# Altium PCB iMX53_BB_PCB_V1I1.PcbDoc (part 1 of 9)
Units mm, origin at the board's own origin, x right, y up, seen from the top; angles counter-clockwise.
Board outline 165 x 100.5 mm, 6 copper layers (Top, GND, SignalH, SignalV, Power, Bottom); 582 components, 590 nets, 2473 pads, 1817 vias.
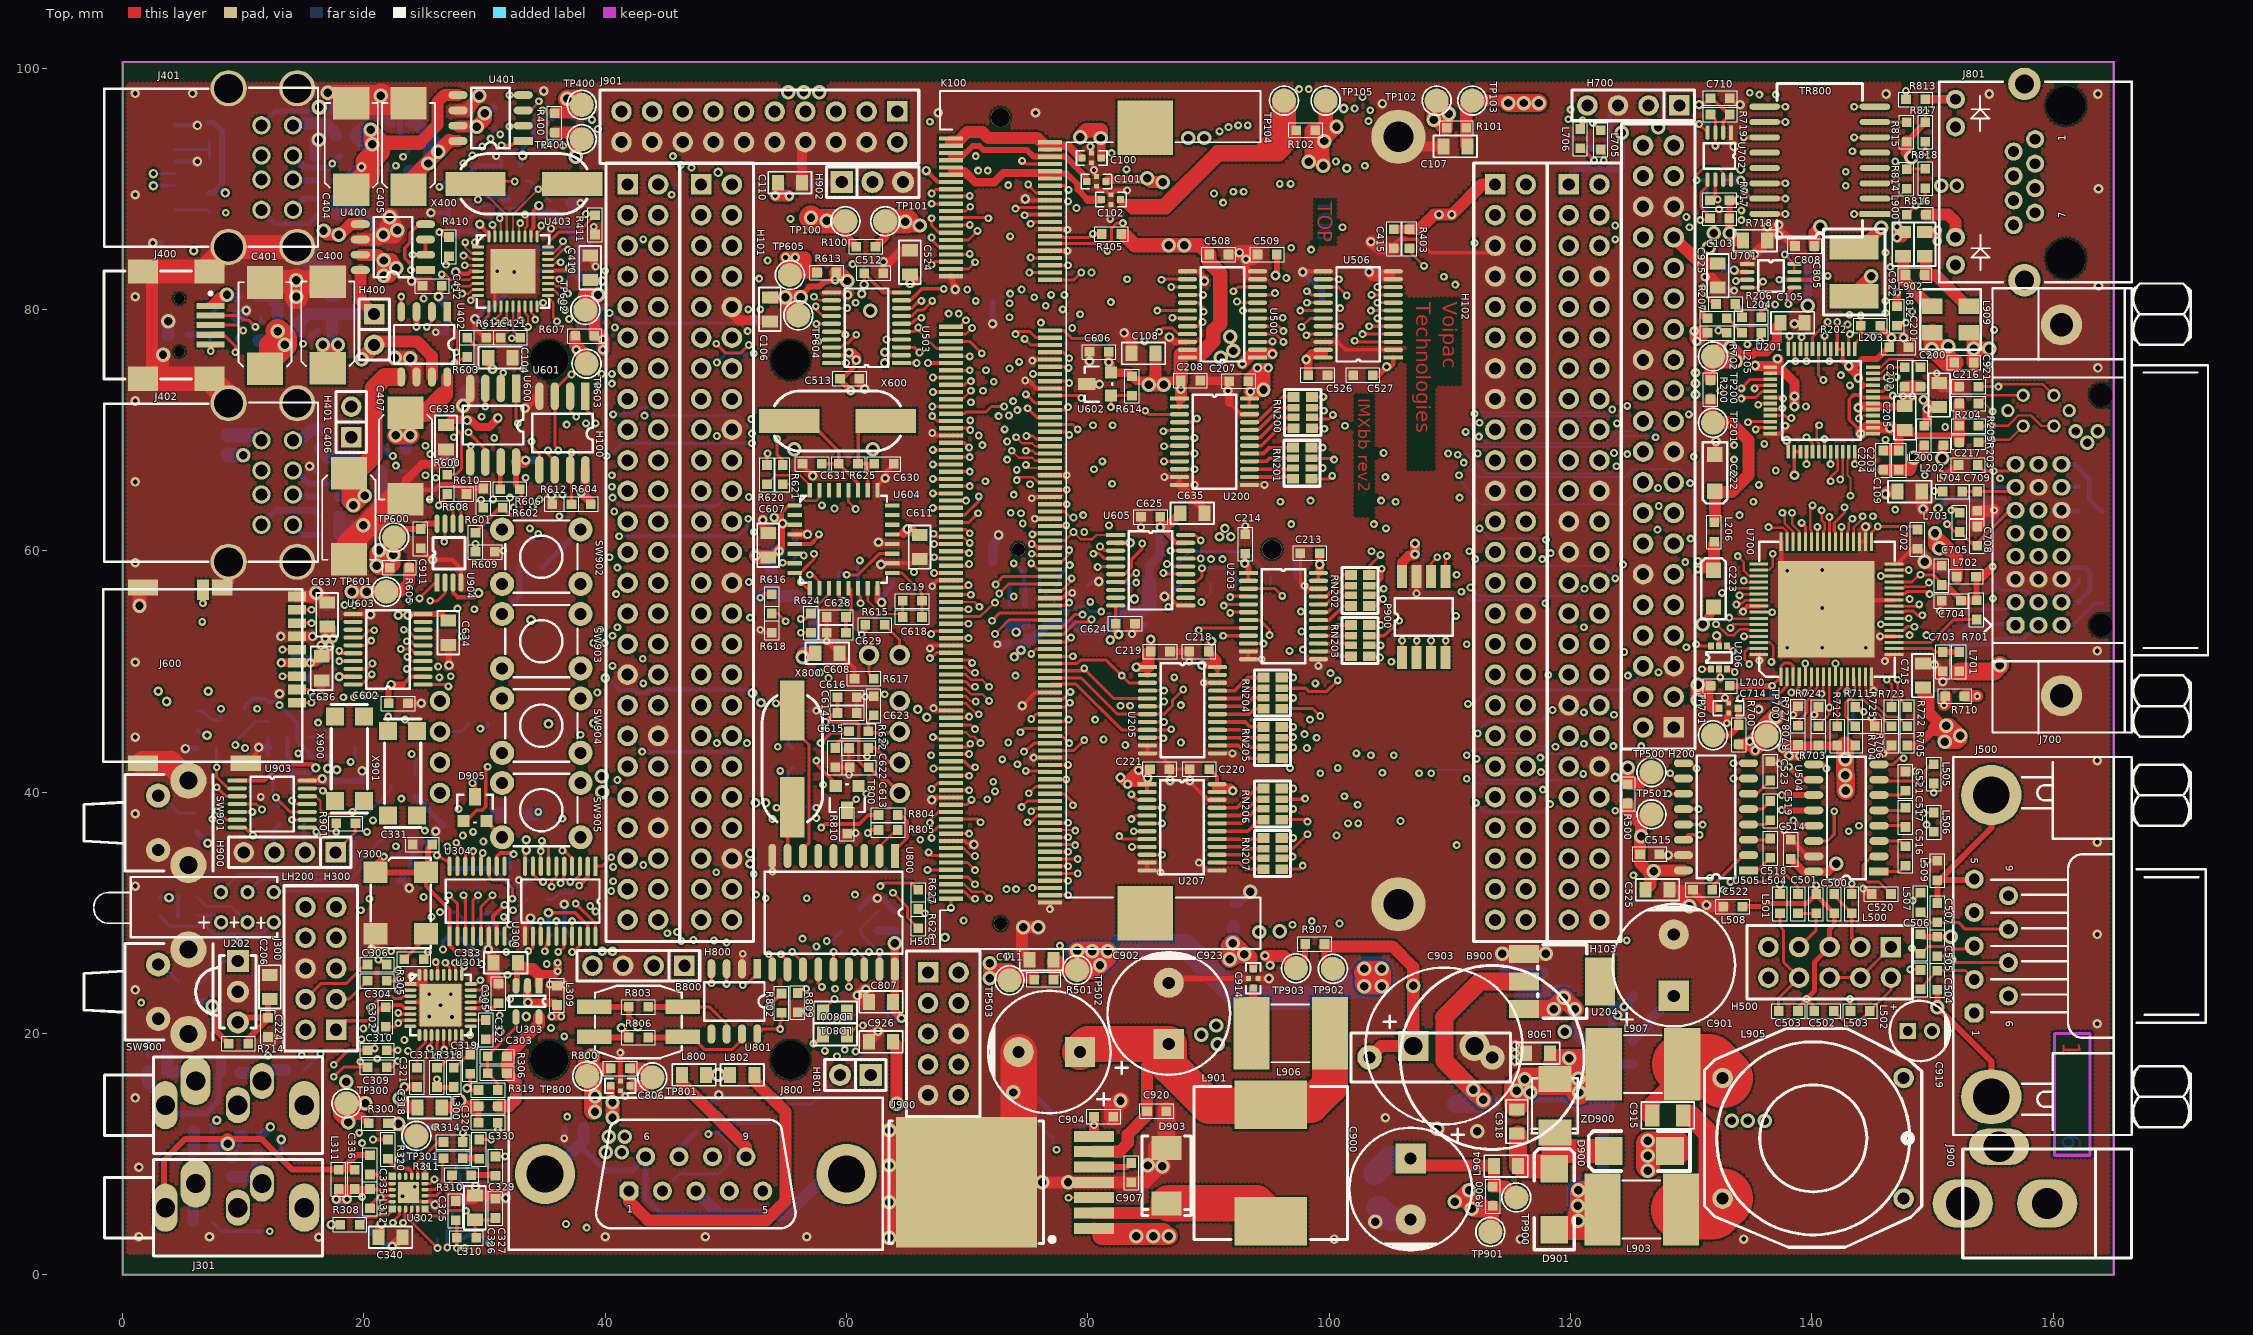
[diagram p0: Top view]
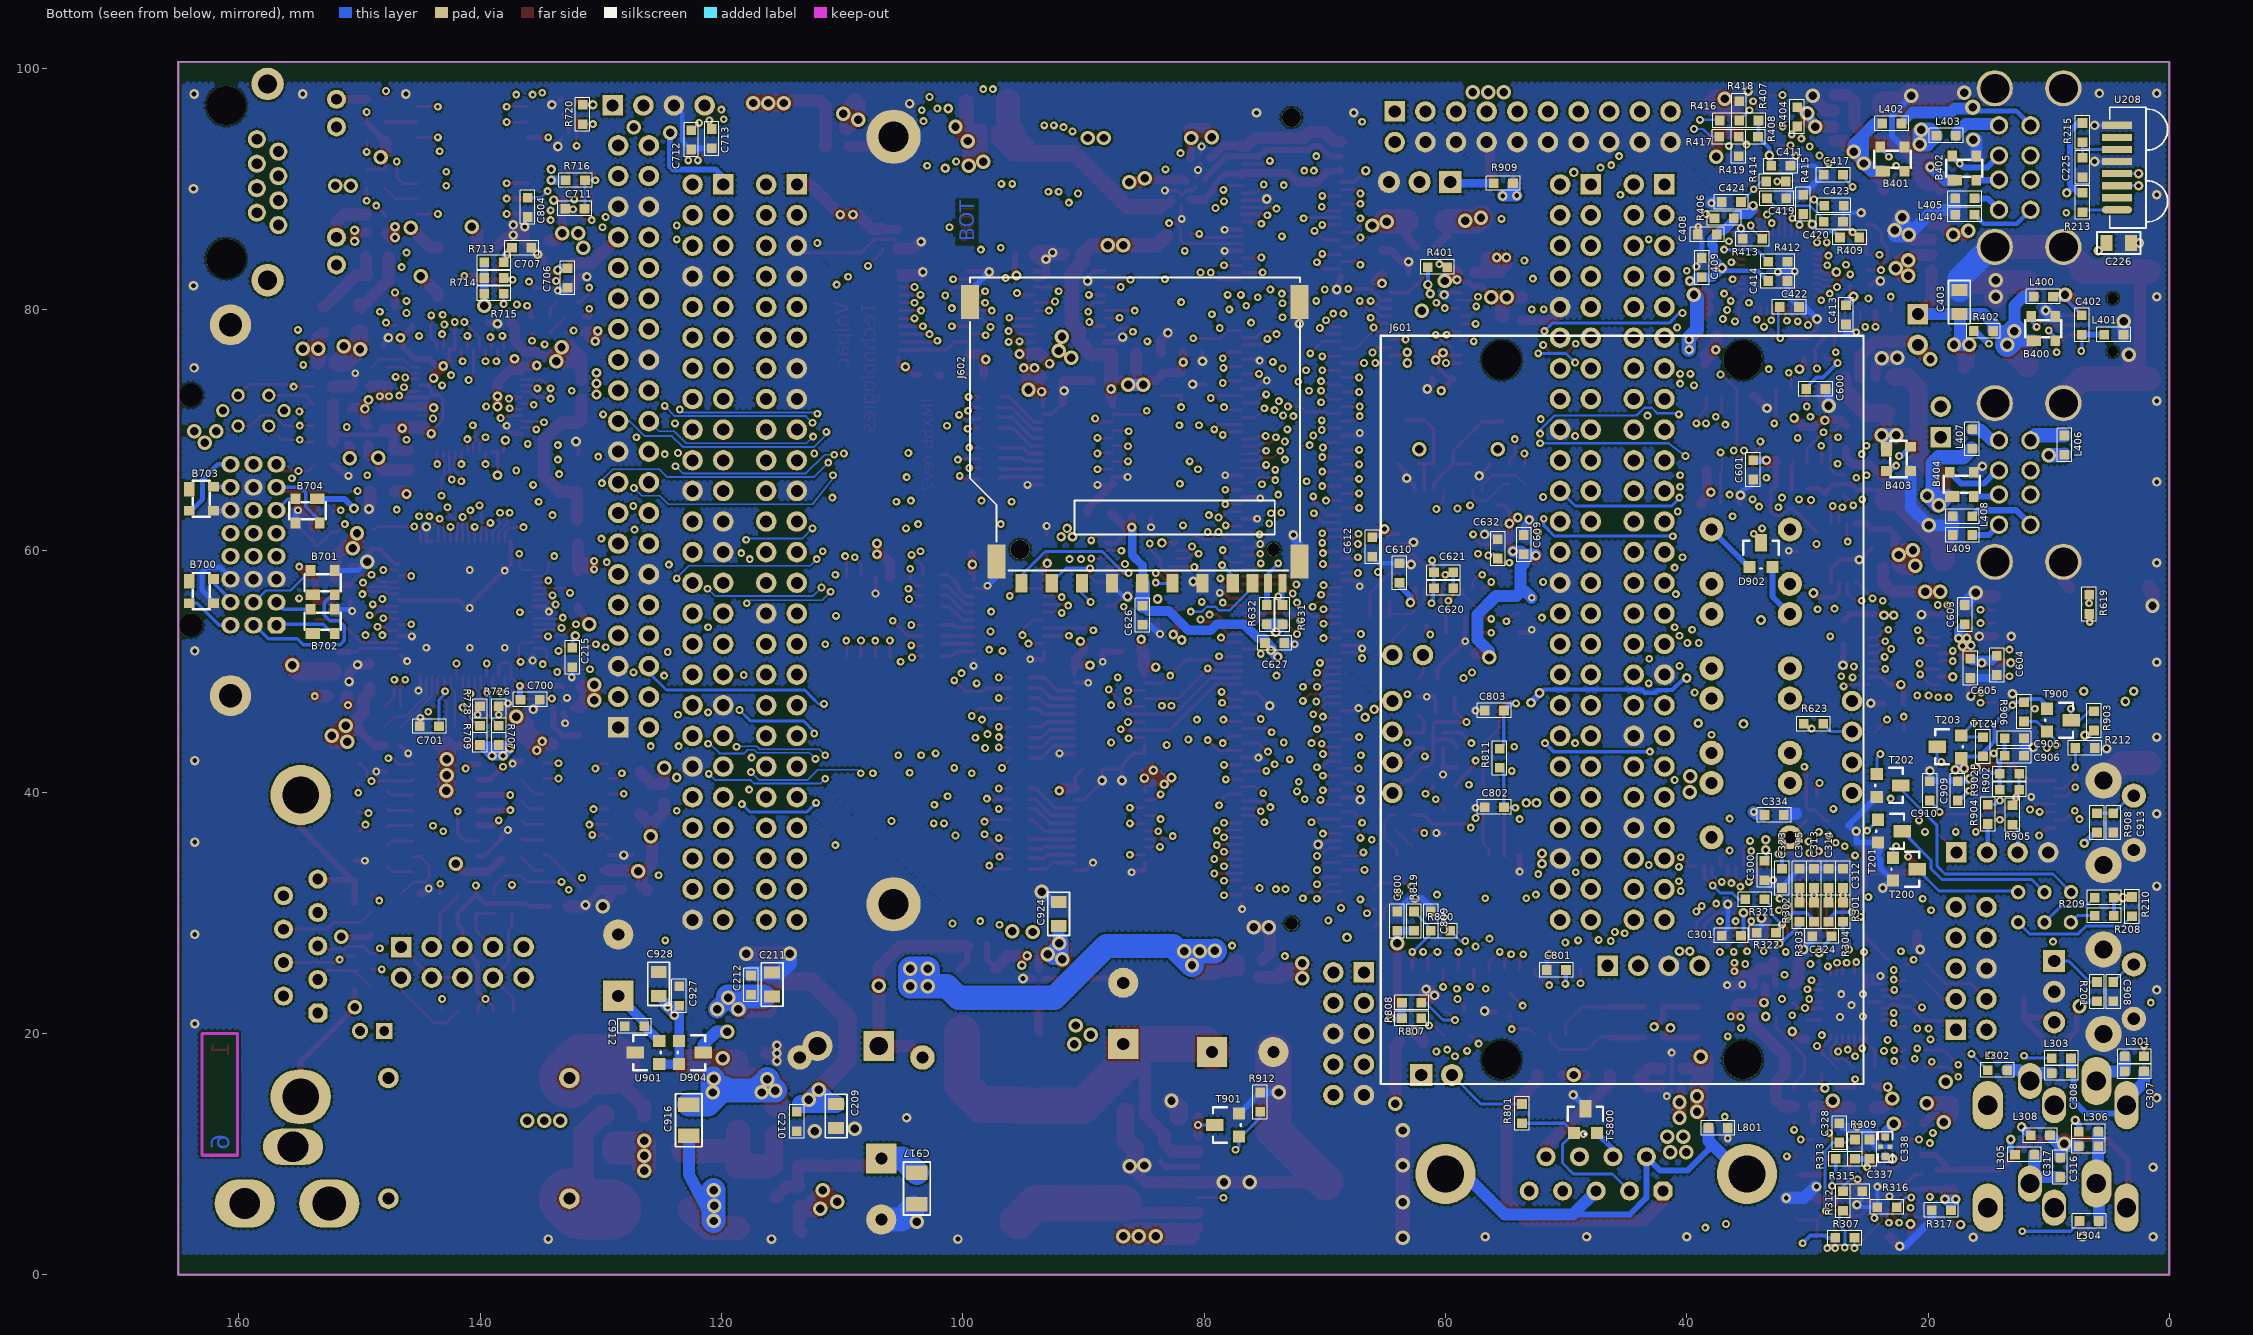
[diagram p1: Bottom view, seen from below]
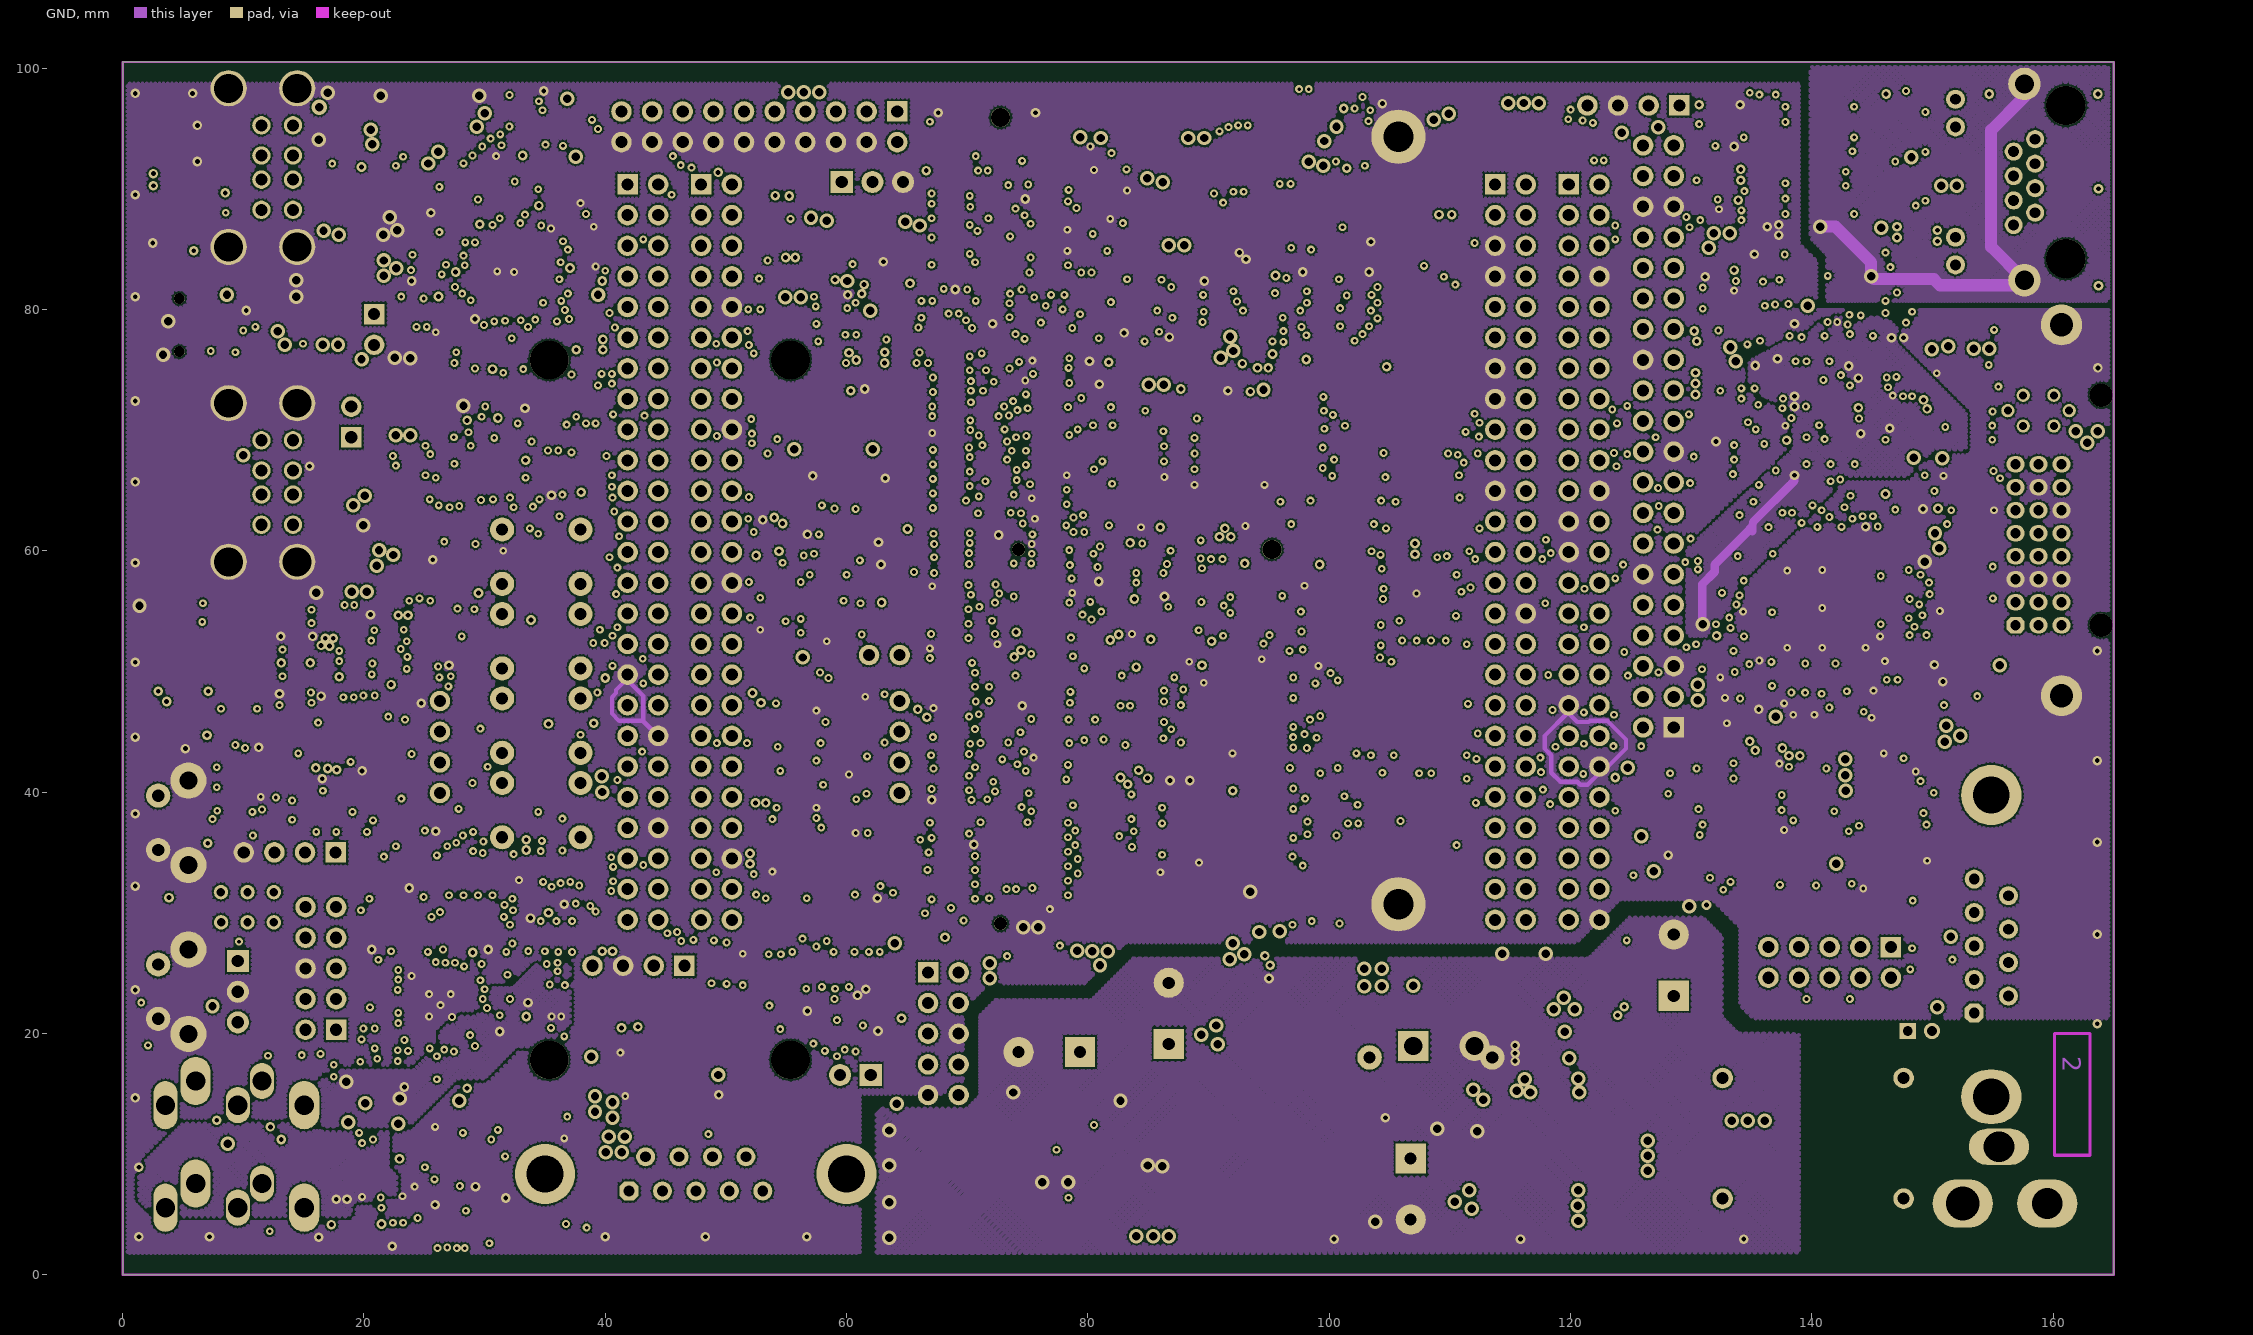
[diagram p2: GND]
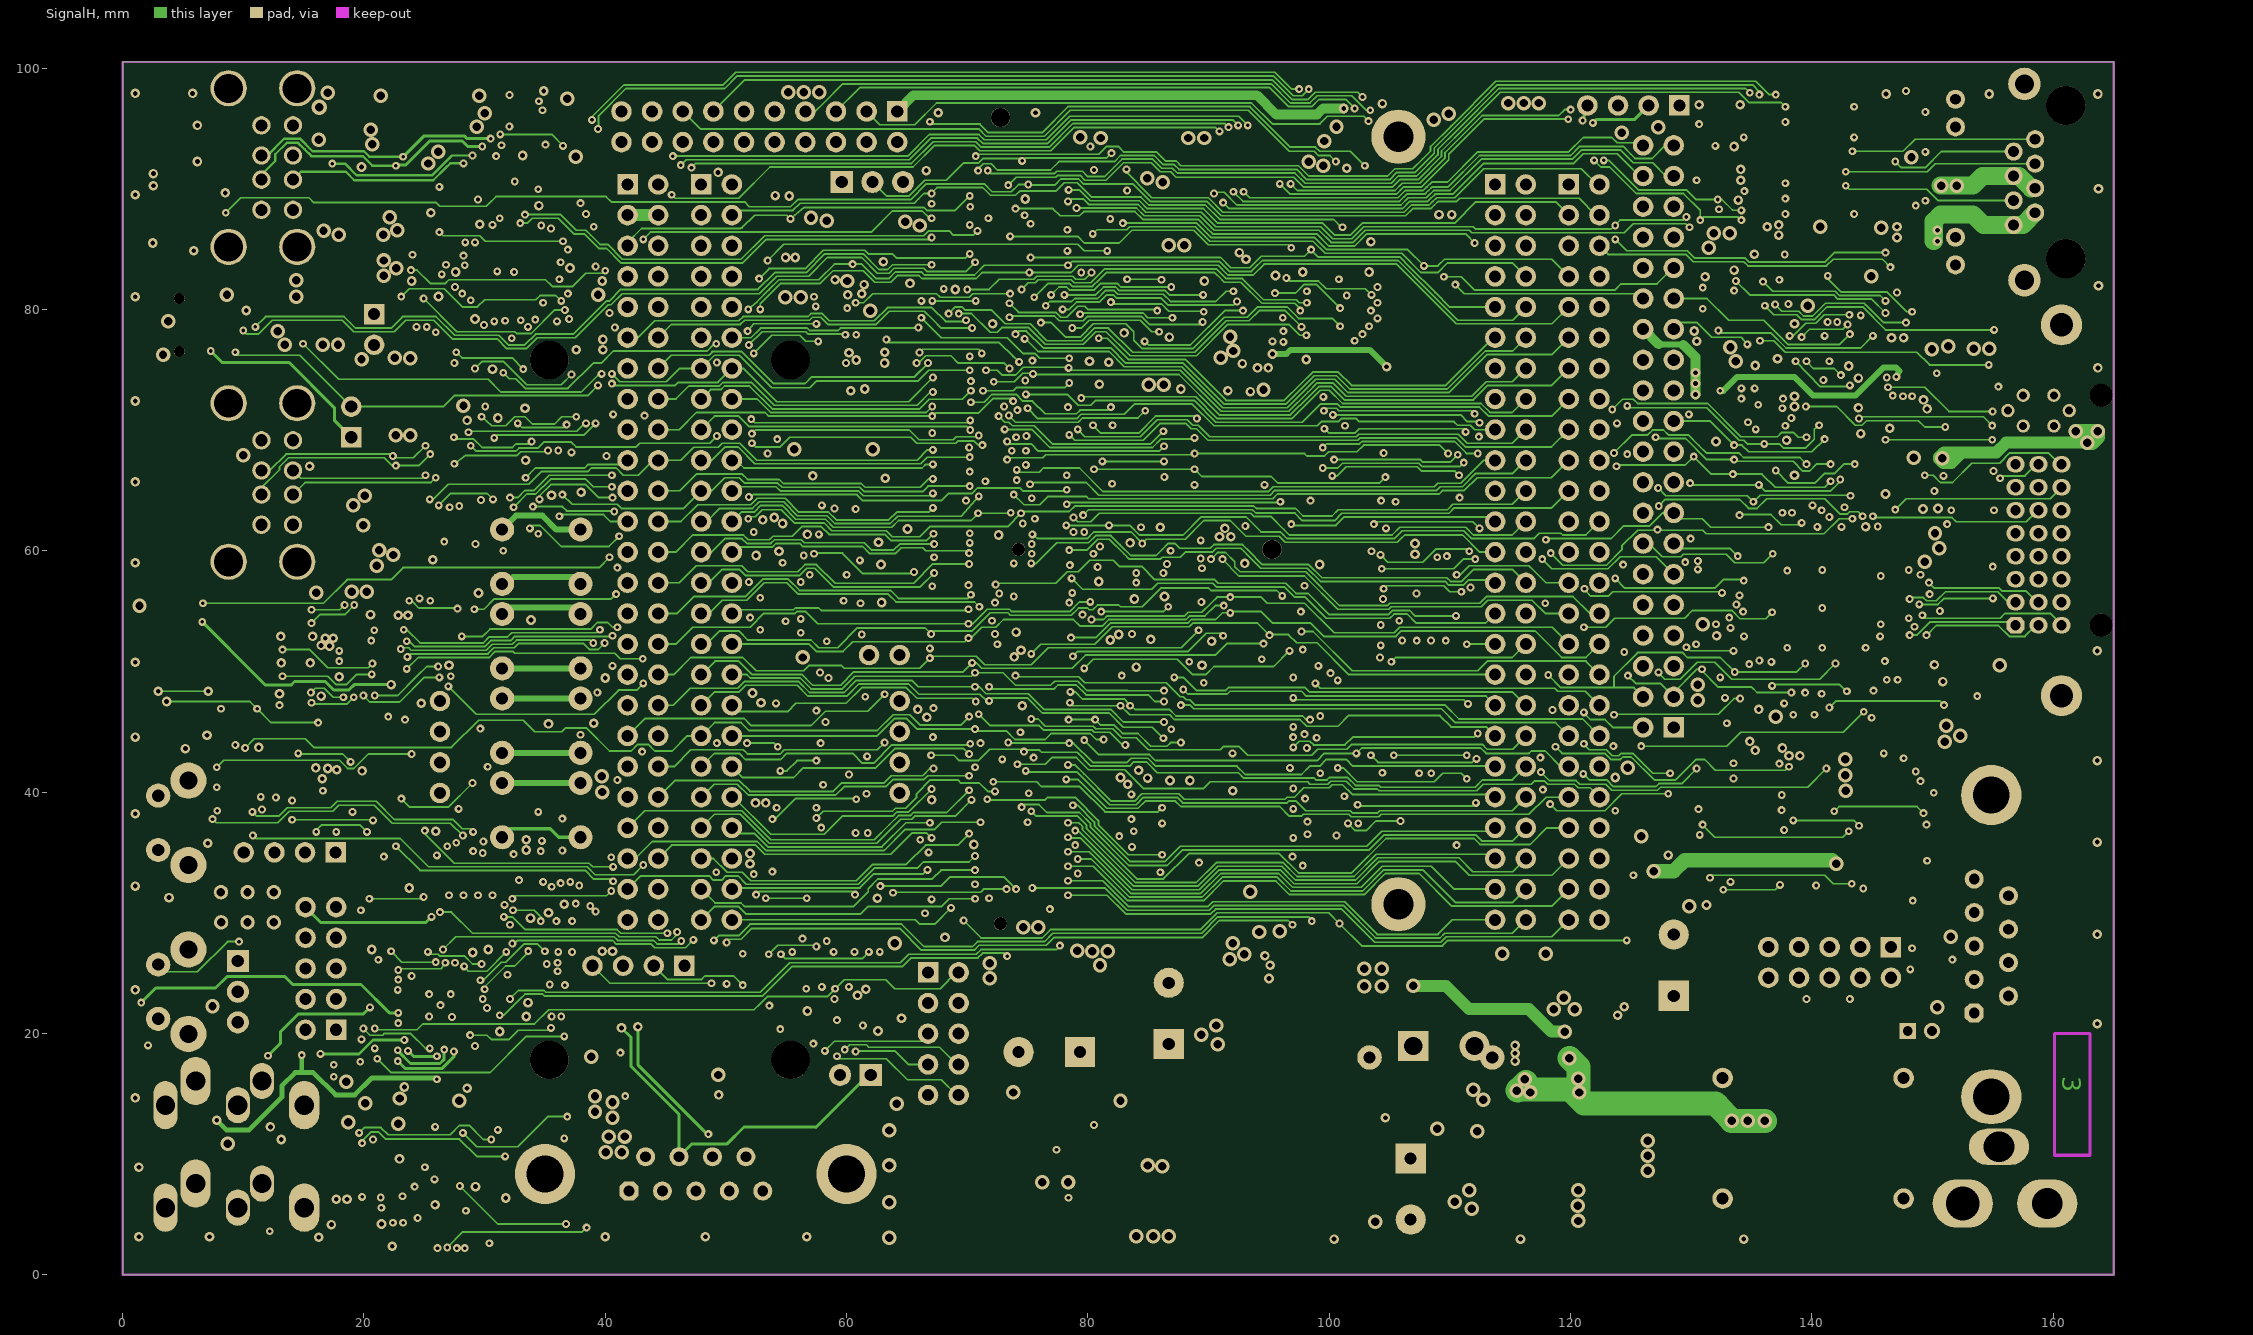
[diagram p3: SignalH]